# Altium PCB SolderingStation.PcbDoc (part 1 of 2)
Units mm, origin at the board's own origin, x right, y up, seen from the top; angles counter-clockwise.
Board outline 138.15 x 60.81 mm, 2 copper layers (Top Layer, Bottom Layer), stack 1.671 mm thick; 230 components, 136 nets, 690 pads, 476 vias.
Unrouted connection lines stored in the file: 7.
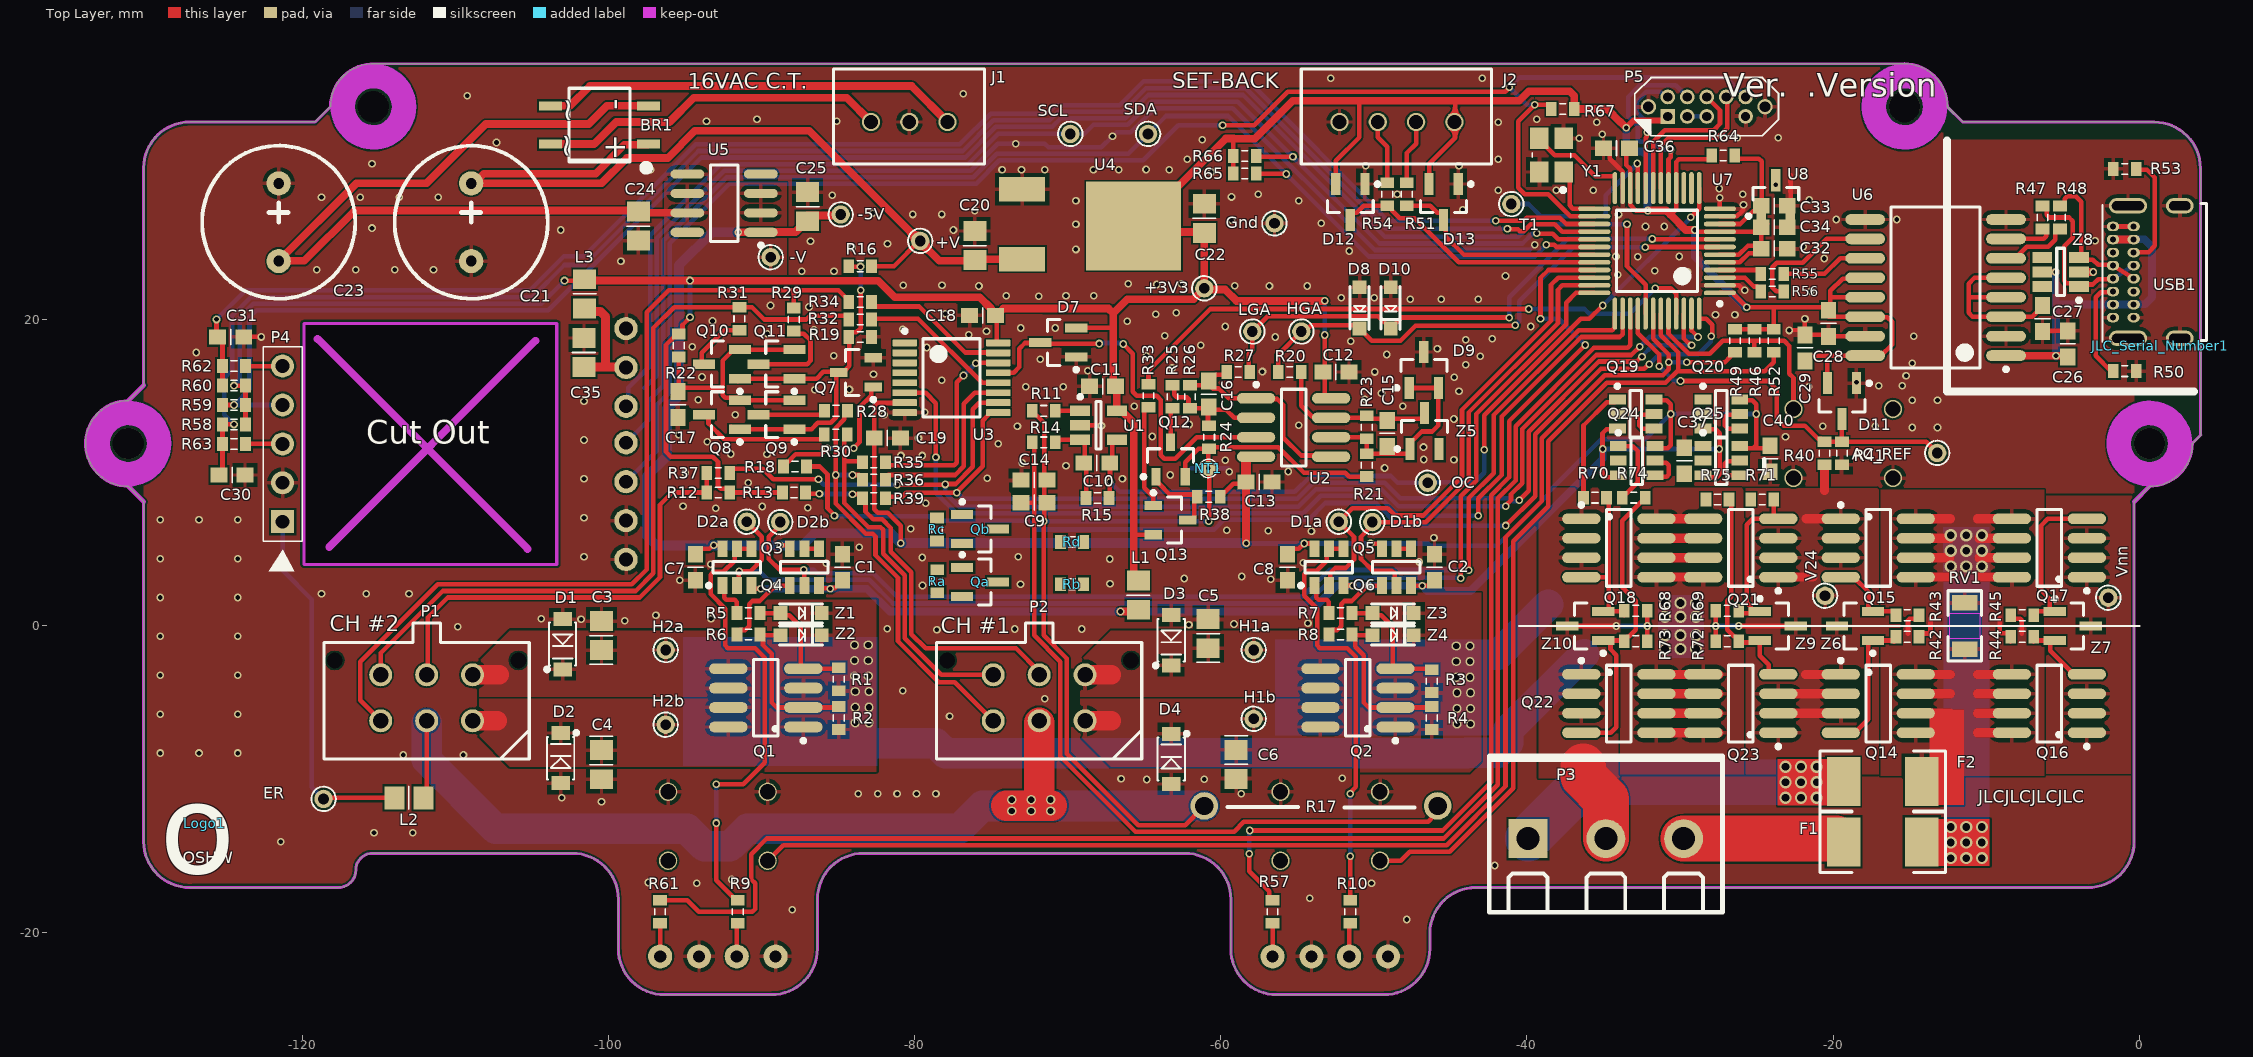
[diagram p0: Top Layer view]
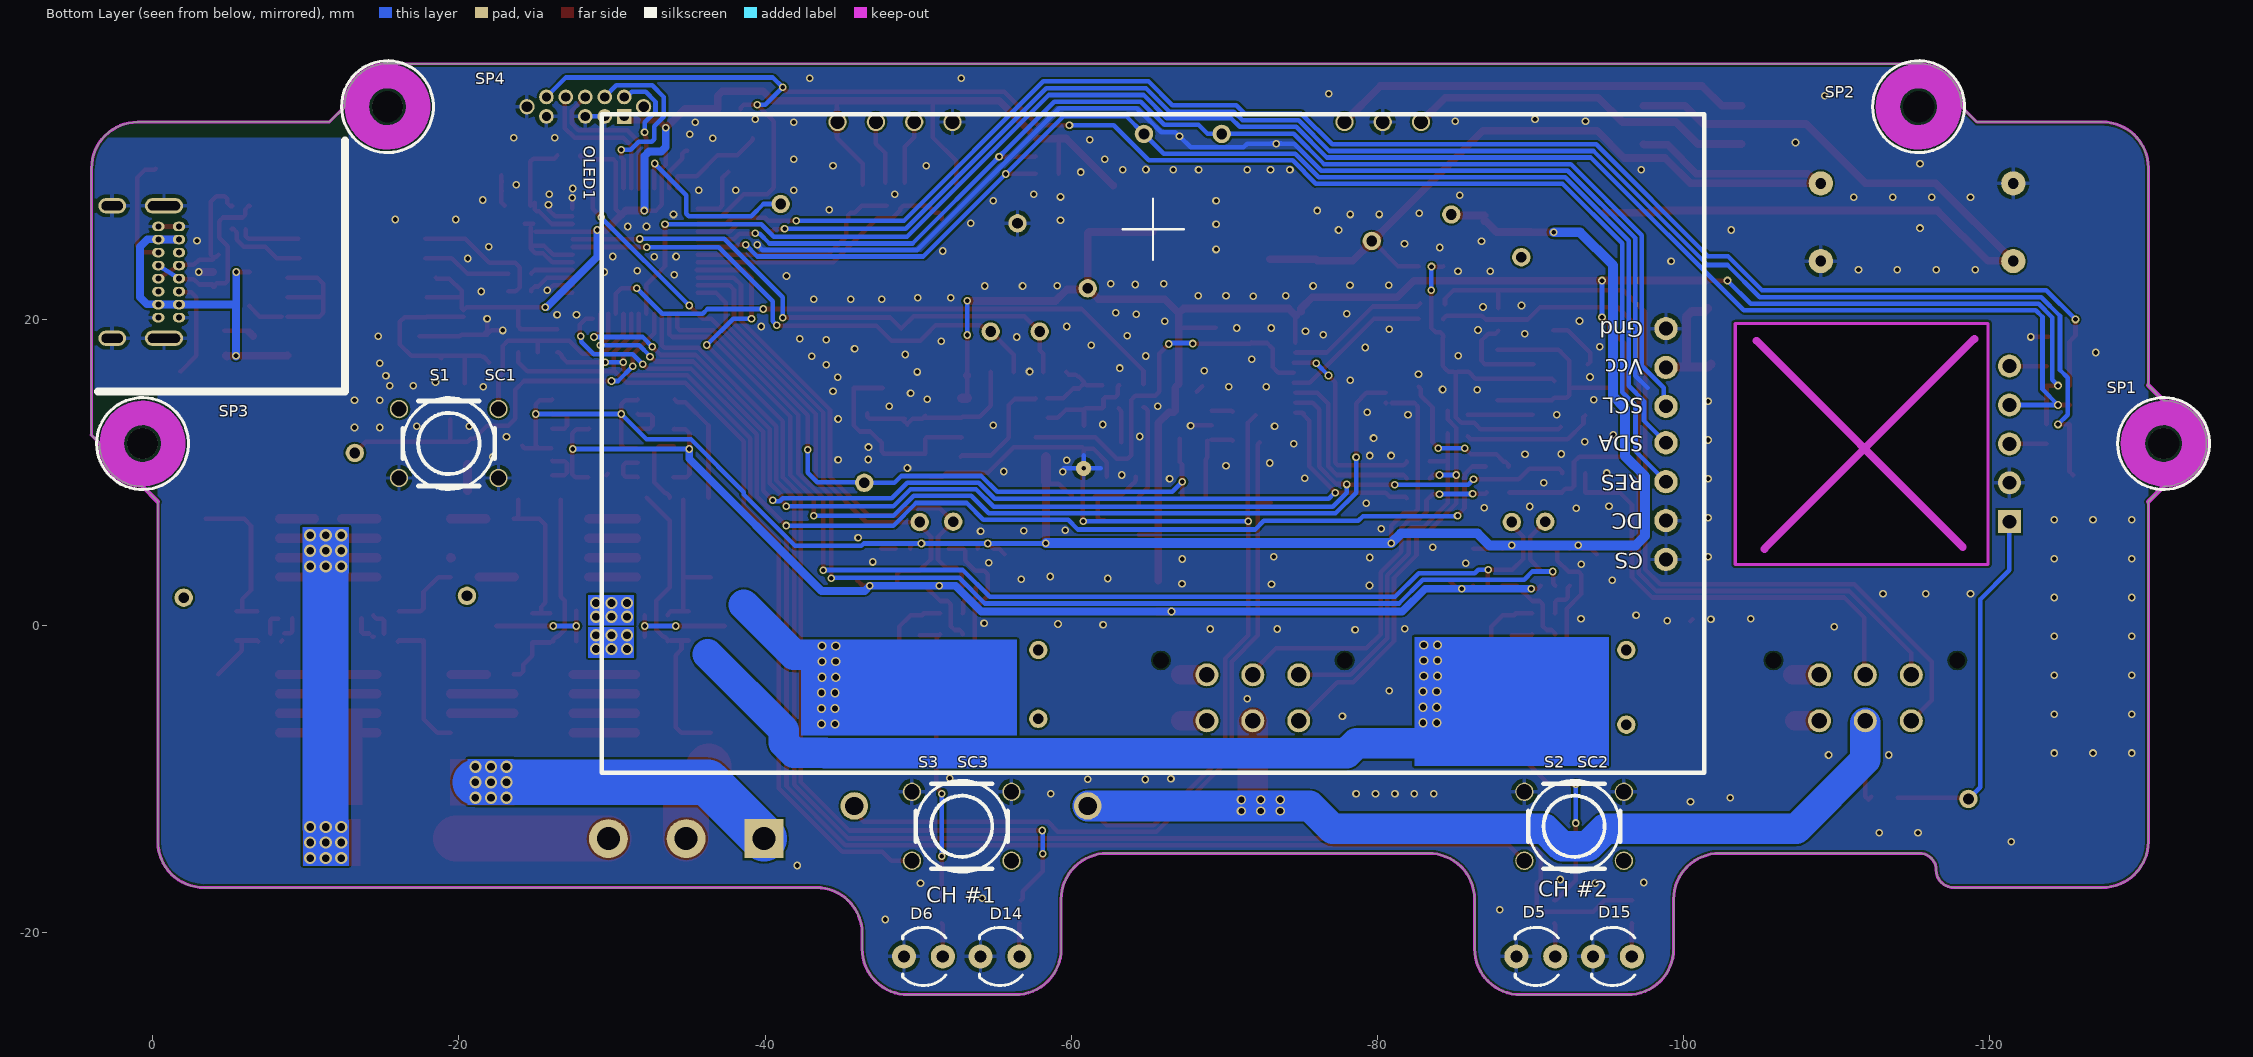
[diagram p1: Bottom Layer view, seen from below]
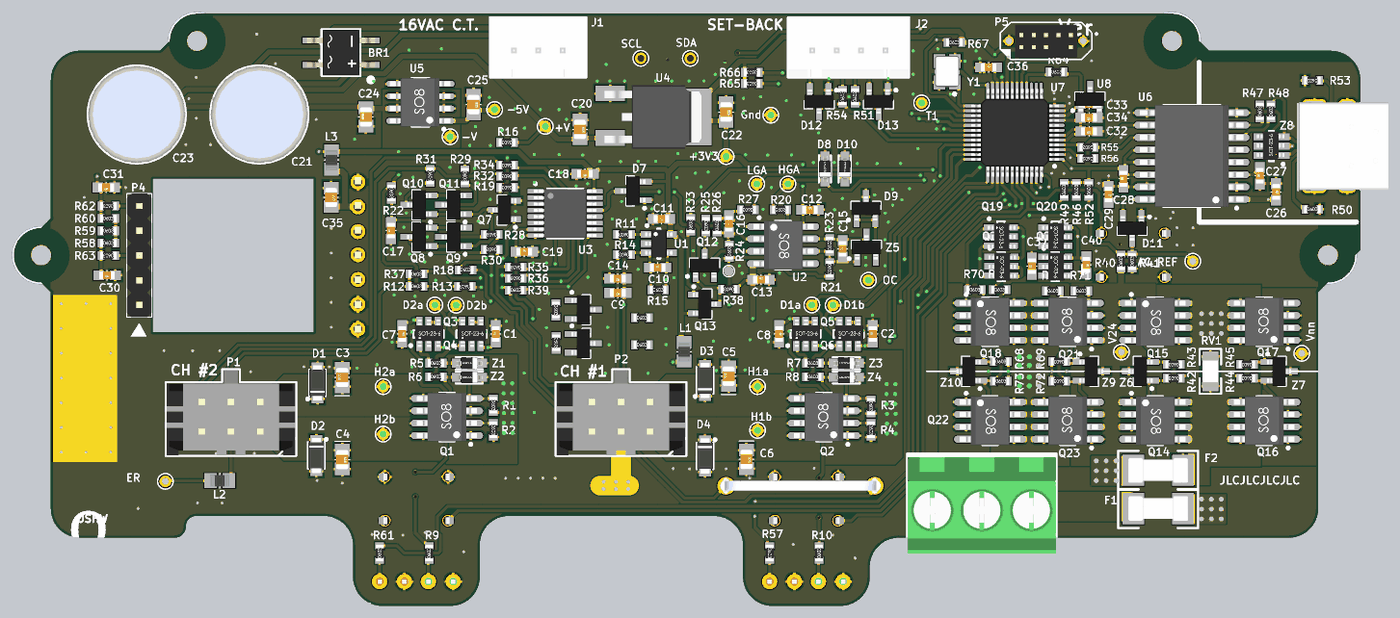
[diagram p3: 3D render of the assembled board from above, using the file's embedded part models]
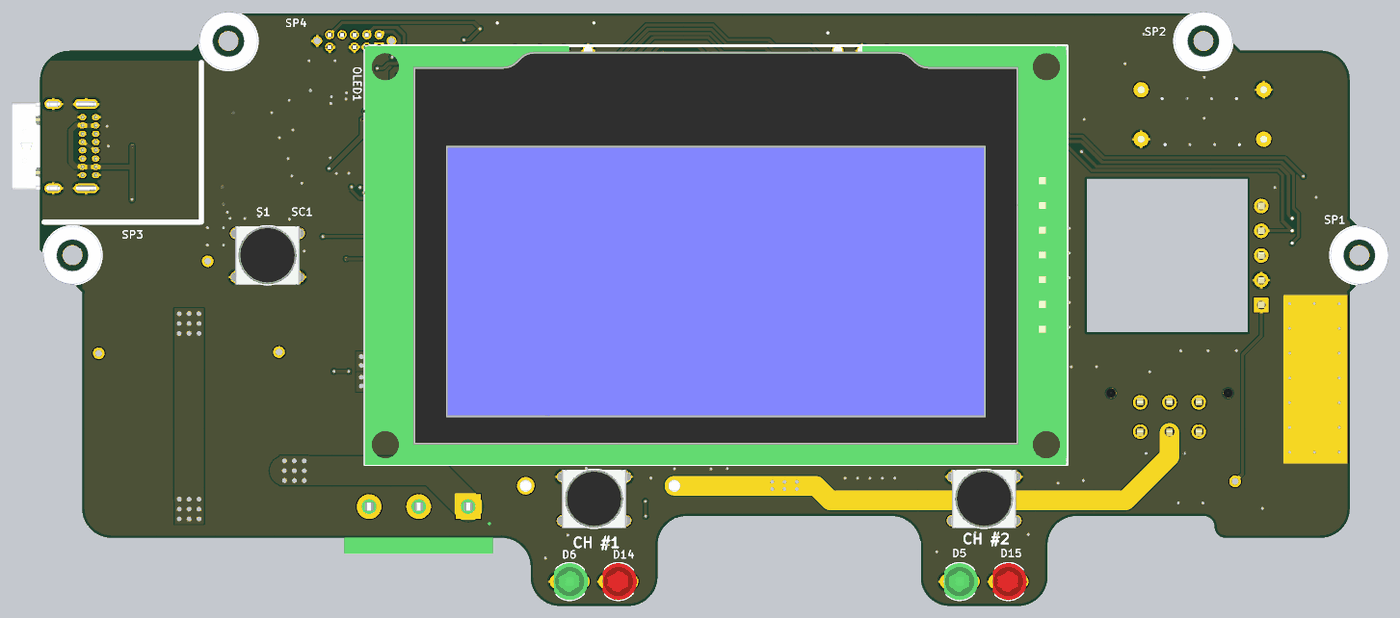
[diagram p4: 3D render of the assembled board from below, using the file's embedded part models]

## Layer stack, top to bottom
Top Solder: solder mask 0.0102, Solder Resist, Dk 3.5
Top Layer: signal copper 0.0356
Dielectric 1: dielectric 1.6, FR-4, Dk 4.8
Bottom Layer: signal copper 0.0356
Bottom Solder: solder mask 0.0102, Solder Resist, Dk 3.5

## Board outline
-127.343,-17.083 -117.629,-17.083 ccw(c-117.629,-15.945) -116.492,-15.945 cw(c-115.392,-15.945) -115.392,-14.845 -115.392,-14.848 -102.343,-14.848 cw(c-102.343,-17.848) -99.343,-17.848 -99.343,-21.083 ccw(c-96.343,-21.083) -96.343,-24.083 -89.343,-24.083 ccw(c-89.343,-21.083) -86.343,-21.083 -86.343,-17.848 cw(c-83.343,-17.848) -83.343,-14.848 -62.343,-14.848 cw(c-62.343,-17.848) -59.343,-17.848 -59.343,-21.083 ccw(c-56.343,-21.083) -56.343,-24.083 -49.343,-24.083 ccw(c-49.343,-21.083) -46.343,-21.083 -46.343,-20.083 cw(c-43.343,-20.083) -43.343,-17.083 -3.343,-17.083 ccw(c-3.343,-14.083) -0.343,-14.083 -0.343,8.117 0.657,9.117 ccw(c0.657,11.917) 3.457,11.917 4.011,12.472 3.996,12.472 3.996,29.904 3.986,29.904 ccw(c0.986,29.904) 0.986,32.904 0.986,32.917 -11.543,32.917 -12.543,33.917 ccw(c-15.343,33.917) -15.343,36.717 -15.343,36.732 -115.27,36.716 ccw(c-115.343,33.917) -118.143,33.917 -119.143,32.917 -127.343,32.917 ccw(c-127.343,29.917) -130.343,29.917 -130.343,15.717 -131.343,14.717 ccw(c-131.343,11.917) -131.343,9.117 -130.343,8.117 -130.343,-14.083 ccw(c-127.343,-14.083)
cut-out: -119.876,4.019 -103.366,4.019 -103.366,19.767 -119.876,19.767

## Design rules (kind name [scope] priority, off if disabled: settings)
Clearance [All] p1: gap=0.127 ignorepadtopadclearanceinfootprint=FALSE
DiffPairsRouting [All] p1: maxlimit=0.254 minlimit=0.254 mostfreqgap=0.254 toplayer_minwidth=0.254 toplayer_maxwidth=0.381 toplayer_prefwidth=0.381 bottomlayer_minwidth=0.254 bottomlayer_maxwidth=0.381 bottomlayer_prefwidth=0.381 maxuncoupledlength=12.7
HoleSize [All] p1: absolutevalues=TRUE maxlimit=3.1 minlimit=0.025 maxpercent=80.000 minpercent=20.000
MinimumSolderMaskSliver [All] p1 off: minsoldermaskwidth=0.254
PolygonConnect PolygonConnect_Via [IsPolygon vs IsVia] p1: connectstyle=Direct reliefconductorwidth=0.254 reliefentries=4 polygonreliefangle="90 Angle" airgapwidth=0.254
PolygonConnect [All] p2: connectstyle=Relief reliefconductorwidth=0.254 reliefentries=4 polygonreliefangle="90 Angle" airgapwidth=0.254
RoomDefinition SolderingStation_Control [InComponentClass('SolderingStation_Control')] p1: confinementstyle=ConfineIn formatcopy=TRUE lockcomponents=FALSE outline -135.585,-25.7 14.884,-25.7 14.884,38.46 -135.585,38.46
RoomDefinition SolderingStation_Power [InComponentClass('SolderingStation_Power')] p2: confinementstyle=ConfineIn formatcopy=TRUE lockcomponents=FALSE outline -135.433,-25.7 14.884,-25.7 14.884,38.003 -135.433,38.003
RoomDefinition SolderingStation_Processor [InComponentClass('SolderingStation_Processor')] p3: confinementstyle=ConfineIn formatcopy=TRUE lockcomponents=FALSE outline -135.433,-25.7 15.037,-25.7 15.037,37.876 -135.433,37.876
RoutingVias [All] p1: holewidth=0.3 width=0.5 viastyle="Through Hole" minholewidth=0 minwidth=0.5 maxholewidth=0.711 maxwidth=1.27
SilkToSilkClearance [All] p1 off: silktosilkclearance=0.254
SilkToSolderMaskClearance [IsPad] p1 off: minsilkscreentomaskgap=0.254 clearancetoexposedcopper=TRUE
SolderMaskExpansion SolderMaskExpansion_Via [IsVia] p1: expansion=0.102 istentingtop=TRUE
SolderMaskExpansion [All] p2: expansion=0.102 istentingtop=FALSE
Width [All] p1: maxlimit=4 minlimit=0.254 preferedwidth=0.254
25 further rules are at their usual default settings.

## Classes and differential pairs
component class SolderingStation_Power: +3V3 +V -5V -V AC_REF BR1 C20 C21 C22 C23 C24 C25 C37 C40 D11 F1 F2 J1 P3 Q14 Q15 Q16 Q17 Q18 Q19 Q20 Q21 Q22 Q23 Q24 Q25 Qa Qb R40 R41 R42 R43 R44 R45 R68 R69 R70 R71 R72 R73 R74 R75 Ra Rb Rc Rd RV1 SP1 SP2 SP3 SP4 U4 U5 V24 Vnn Z6 Z7 Z9 Z10
component class SolderingStation_Processor: C26 C27 C28 C29 C30 C31 C32 C33 C34 C35 C36 D12 D13 D14 D15 Gnd J2 JLC_Serial_Number1 L3 Logo1 OLED1 P4 P5 R46 R47 R48 R49 R50 R51 R52 R53 R54 R55 R56 R57 R58 R59 R60 R61 R62 R63 R64 R65 R66 R67 S1 S2 S3 SC1 SC2 SC3 SCL SDA T1 U6 U7 U8 USB1 Y1 Z8
component class SolderingStation_Control: C1 C2 C3 C4 C5 C6 C7 C8 C9 C10 C11 C12 C13 C14 C15 C16 C17 C18 C19 D1 D1a D1b D2 D2a D2b D3 D4 D5 D6 D7 D8 D9 D10 ER H1a H1b H2a H2b HGA L1 L2 LGA NT1 OC P1 P2 Q1 Q2 Q3 Q4 Q5 Q6 Q7 Q8 Q9 Q10 Q11 Q12 Q13 R1 R2 R3 R4 R5 R6 R7 R8 R9 R10 R11 R12 R13 R14 R15 R16 R17 R18 R19 R20 R21 R22 R23 R24 R25 R26 R27 R28 R29 R30 R31 R32 R33 R34 R35 R36 R37 R38 R39 U1 U2 U3 Z1 Z2 Z3 Z4 Z5

## Components (designator, comment, footprint, x,y, rotation, side; value= is the part's Value field where it differs from the comment)
+3V3 "+3.3 volt" "PCBPIN - 0.7mm" -61.075,22.053 r90 top
+V "9 volt unregulated" "PCBPIN - 0.7mm" -79.629,25.151 r90 top
-5V "-5 volt" "PCBPIN - 0.7mm" -84.824,26.879 r90 top
-V "-9 volt unregulated" "PCBPIN - 0.7mm" -89.396,24.085 r90 top
AC_REF "Vdd" "PCBPIN - 0.7mm" -13.208,11.303 r90 top
BR1 "MB1S" MB1S -100.572,32.721 r180 top
C1 "100nF" CCNP1608-0603 -84.709,3.84 r90 top
C2 "100nF" CCNP1608-0603 -46.039,3.84 r90 top
C3 "DNP" CC2012-0805 -100.445,-0.629 r90 top
C4 "DNP" CC2012-0805 -100.445,-9.062 r270 top
C5 "DNP" CC2012-0805 -60.821,-0.502 r90 top
C6 "DNP" CC2012-0805 -58.993,-9.036 r270 top
C7 "100nF" CCNP1608-0603 -94.31,3.84 r270 top
C8 "100nF" CCNP1608-0603 -55.64,3.84 r270 top
C9 "100nF" CCNP1608-0603 -72.187,8.057 r180 top
C10 "100pF" CCNP1608-0603 -68.097,10.647 r0 top
C11 "100nF" CCNP1608-0603 -67.716,15.651 r180 top
C12 "100nF" CCNP1608-0603 -52.476,16.591 r0 top
C13 "100nF" CCNP1608-0603 -57.5,9.406 r0 top
C14 "100nF" CCNP1608-0603 -72.187,9.53 r180 top
C15 "100pF" CCNP1608-0603 -49.124,12.578 r90 top
C16 "100pF" CCNP1608-0603 -60.782,15.143 r90 top
C17 "100nF" CCNP1608-0603 -95.453,14.457 r90 top
C18 "100nF" CCNP1608-0603 -75.553,20.275 r180 top
C19 "100nF" CCNP1608-0603 -81.776,12.274 r0 top
C20 "100nF" CCNP2012-0805 -76.061,24.847 r270 top
C21 "470uF/25V" RB5/10x13mm -108.954,26.371 r270 top
C22 "10uF" CCNP2012-0805 -61.075,26.625 r270 top
C23 "270uF/25V" RB5/10x13mm -121.527,26.371 r270 top
C24 "2.2uF" CCNP2012-0805 -98.032,26.117 r90 top
C25 "10uF" CCNP2012-0805 -86.983,27.387 r270 top
C26 "100nF" CCNP1608-0603 -4.675,18.423 r270 top
C27 "100nF" CCNP1608-0603 -6.326,20.074 r90 top
C28 "100nF" CCNP1608-0603 -20.308,19.767 r90 top
C29 "100nF" CCNP1608-0603 -21.844,18.161 r270 top
C30 "1nF" CCNP1608-0603 -124.575,9.861 r180 top
C31 "1nF" CCNP1608-0603 -124.663,18.878 r180 top
C32 "2.2uF" CCNP1608-0603 -23.852,24.646 r180 top
C33 "100nF" CCNP1608-0603 -23.852,27.44 r180 top
C34 "100nF" CCNP1608-0603 -23.852,26.043 r180 top
C35 "10uF" CCNP2012-0805 -101.588,17.862 r270 top
C36 "100nF" CCNP1608-0603 -34.151,31.197 r0 top
C37 "100nF" CCNP1608-0603 -29.718,10.795 r90 top
C40 "100nF" CCNP1608-0603 -24.13,10.922 r270 top
D1 "SM4007PL" SOD-123FL -102.985,-1.188 r90 top
D1a "Drive1" "PCBPIN - 0.7mm" -52.287,6.812 r0 top
D1b "Drive2" "PCBPIN - 0.7mm" -50.103,6.787 r0 top
D2 "SM4007PL" SOD-123FL -103.112,-8.63 r270 top
D2a "Drive2" "PCBPIN - 0.7mm" -90.957,6.812 r0 top
D2b "Drive2" "PCBPIN - 0.7mm" -88.773,6.787 r0 top
D3 "SM4007PL" SOD-123FL -63.234,-0.934 r90 top
D4 "SM4007PL" SOD-123FL -63.234,-8.681 r270 top
D5 "LED" "LED3MM-GREEN - 10MM PROUD" -90.343,-21.583 r0 bottom locked
D6 "LED" "LED3MM-GREEN - 10MM PROUD" -50.343,-21.583 r0 bottom locked
D7 "BAV199LT1G" SOT23_M -70.612,18.521 r0 top
D8 "1N4148WS" SOD-323 -50.927,20.782 r90 top
D9 "BAV199LT1G" SOT23_M -46.736,16.718 r270 top
D10 "1N4148WS" SOD-323 -48.895,20.782 r90 top
D11 "BAV199LT1G" SOT23_M -19.431,14.686 r90 top
D12 "BAV199LT1G" SOT23_M -51.538,27.694 r90 top
D13 "BAV199LT1G" SOT23_M -45.442,27.694 r90 top
D14 "LED" "LED3MM-RED - 10MM PROUD" -55.343,-21.583 r0 bottom locked
D15 "LED" "LED3MM-RED - 10MM PROUD" -95.343,-21.583 r0 bottom locked
ER "Gnd" "PCBPIN - 0.7mm" -118.594,-11.295 r0 top
F1 "Fuse-0680L9100-01" CF6125-2410_M -16.764,-14.097 r0 top value="10 A"
F2 "Fuse-0680L9100-01" CF6125-2410_M -16.764,-10.16 r0 top value="10 A"
Gnd "Gnd" "PCBPIN - 0.7mm" -56.491,26.297 r90 top
H1a "Heater1" "PCBPIN - 0.7mm" -57.85,-1.569 r0 top
H1b "Heater2" "PCBPIN - 0.7mm" -57.85,-6.064 r90 top
H2a "Heater2" "PCBPIN - 0.7mm" -96.254,-1.569 r0 top
H2b "Heater2" "PCBPIN - 0.7mm" -96.254,-6.446 r90 top
HGA "TC1" "PCBPIN - 0.7mm" -54.737,19.233 r0 top
J1 "JST XH Connector, 3-Pin" JST-B3B-XH-AX -80.343,32.917 r180 top
J2 "JST XH Connector, 4-Pin" jst-b4b-xh-ax -48.49,32.917 r180 top locked
JLC_Serial_Number1 "JLC_Serial_Number" JLC_Serial_Number 1.368,18.304 r180 top
L1 "Ferrite Bead" FB2012-0805 -65.38,2.011 r270 top
L2 "Ferrite Bead" FB2012-0805 -113.018,-11.221 r0 top
L3 "Ferrite Bead" FB2012-0805 -101.549,21.696 r270 top
LGA "NTC1" "PCBPIN - 0.7mm" -57.937,19.233 r0 top
Logo1 "OSHW Logo" OSHW -126.353,-12.872 r0 top
NT1 "NetTieVia" NETTIEVIA -60.808,10.292 r90 top net-tie
OC "Overcurrent" "PCBPIN - 0.7mm" -46.482,9.352 r0 top
OLED1 "OLED_Display" "OLED_Display_128x64_2.4inch - no mounting holes" -65.343,11.917 r0 bottom locked
P1 "MOLEX-43045-0612" MOLEX-43045-0612 -111.863,-4.691 r0 top locked
P2 "MOLEX-43045-0612" MOLEX-43045-0612 -71.858,-4.691 r0 top locked
P3 "Terminal3" MOLEX-39544-3003 -39.929,-13.889 r270 top
P4 "Header, 5-Pin" HDR1X5S -121.273,6.813 r90 top locked
P5 "SWD Connector 2x5-Pin" SWD-2x5-Jig-Header -30.799,33.282 r0 top
Q1 "DMP4025LSD-13" SO-8_M -89.712,-4.691 r90 top
Q2 "DMP4025LSD-13" SO-8_M -51.042,-4.691 r90 top locked
Q3 "IMD2AT108" SOT457_N -91.606,3.84 r90 top
Q4 "IMD2AT108" SOT457_N -87.198,3.84 r90 top
Q5 "IMD2AT108" SOT457_N -52.936,3.84 r90 top
Q6 "IMD2AT108" SOT457_N -48.528,3.84 r90 top
Q7 "MMBT3904LT1G" SOT23_N -83.82,16.566 r0 top
Q8 "BSS84" SOT23_M -92.571,13.798 r0 top
Q9 "BSS84" SOT23_M -89.015,13.798 r0 top
Q10 "BSS84" SOT23_M -92.571,17.1 r0 top
Q11 "BSS84" SOT23_M -89.015,17.1 r0 top
Q12 "BSH103" SOT23_N -63.271,10.876 r270 top
Q13 "MMBT3906LT1G" SOT23_N -63.271,6.914 r180 top
Q14 "FDS4675" SO-8_M -17.056,-5.064 r270 top
Q15 "FDS4675" SO-8_M -17.056,5.096 r270 top
Q16 "FDS4672A" SO-8_M -5.88,-5.064 r90 top
Q17 "FDS4672A" SO-8_M -5.88,5.096 r90 top
Q18 "FDS4675" SO-8_M -33.999,5.096 r270 top
Q19 "IMD2AT108" SOT457_N -32.893,13.843 r0 top
Q20 "IMD2AT108" SOT457_N -27.305,13.843 r0 top
Q21 "FDS4675" SO-8_M -26.035,5.096 r90 top
Q22 "FDS4675" SO-8_M -33.999,-5.064 r270 top
Q23 "FDS4675" SO-8_M -26.035,-5.064 r90 top
Q24 "IMD2AT108" SOT457_N -32.836,10.795 r0 top
Q25 "IMD2AT108" SOT457_N -27.305,10.795 r0 top
Qa "DNP" SOT23_M -75.718,2.875 r180 top
Qb "DNP" SOT23_M -75.718,6.329 r180 top
R1 "4k7" CR1608-0603_N -84.951,-3.474 r270 top
R2 "4k7" CR1608-0603_N -84.951,-6.014 r270 top
R3 "4k7" CR1608-0603_N -46.216,-3.601 r270 top
R4 "4k7" CR1608-0603_N -46.216,-6.014 r270 top
R5 "4k7" CR1608-0603_N -90.844,0.844 r0 top
R6 "4k7" CR1608-0603_N -90.844,-0.553 r0 top
R7 "4k7" CR1608-0603_N -52.174,0.844 r0 top
R8 "4k7" CR1608-0603_N -52.174,-0.553 r0 top
R9 "470R" CR1608-0603_N -91.543,-18.661 r90 top
R10 "470R" CR1608-0603_N -51.538,-18.661 r90 top
R11 "10K" CR1608-0603_N -71.552,14.051 r180 top value=10k
R12 "10K 1%" CR1608-0603_N -92.825,8.718 r0 top value="10k 1%"
R13 "10K 1%" CR1608-0603_N -87.872,8.718 r180 top value="10k 1%"
R14 "10K 1%" CR1608-0603_N -71.552,11.994 r180 top value="10k 1%"
R15 "51K 1%" CR1608-0603_N -68.047,8.361 r0 top value="51k 1%"
R16 "10K" CR1608-0603_N -83.554,23.5 r180 top value=10k
R17 "OAR3-R050FI" OAR3-R050FI -53.455,-11.754 r180 top
R18 "10K" CR1608-0603_N -87.808,10.419 r0 top value=10k
R19 "22K" CR1608-0603_N -83.554,18.877 r180 top value=22k
R20 "0R" CR1608-0603_N -55.499,16.591 r0 top
R21 "1K 1%" CR1608-0603_N -50.458,10.508 r270 top value="1k 1%"
R22 "100 ohm" CR1608-0603_N -95.402,18.318 r270 top
R23 "56K 1%" CR1608-0603_N -50.458,12.974 r90 top value="56k 1%"
R24 "10K 1%" CR1608-0603_N -60.759,12.327 r90 top value="10k 1%"
R25 "5K1 1%" CR1608-0603_N -63.144,14.965 r270 top value="5k1 1%"
R26 "10K 1%" CR1608-0603_N -62.001,14.965 r90 top value="10k 1%"
R27 "0R" CR1608-0603_N -58.852,16.591 r180 top
R28 "22K 1%" CR1608-0603_N -85.129,14.052 r180 top value="22k 1%"
R29 "22K 1%" CR1608-0603_N -87.884,20.02 r270 top value="22k 1%"
R30 "22K 1%" CR1608-0603_N -85.141,12.502 r180 top value="22k 1%"
R31 "22K 1%" CR1608-0603_N -91.44,20.071 r270 top value="22k 1%"
R32 "10K" CR1608-0603_N -83.554,20.021 r180 top value=10k
R33 "10K" CR1608-0603_N -64.719,15.042 r90 top value=10k
R34 "10K" CR1608-0603_N -83.554,21.164 r180 top value=10k
R35 "10K" CR1608-0603_N -82.652,10.698 r180 top value=10k
R36 "10K" CR1608-0603_N -82.652,9.555 r180 top value=10k
R37 "10K" CR1608-0603_N -92.825,9.988 r0 top value=10k
R38 "22K" CR1608-0603_N -60.782,8.438 r180 top value=22k
R39 "10K" CR1608-0603_N -82.652,8.337 r0 top value=10k
R40 "15K" CR1608-0603_N -20.574,11.276 r90 top
R41 "4K3" CR1608-0603_N -19.431,11.276 r90 top value=4k3
R42 "4K3" CR1608-0603_N -15.151,-0.7 r180 top value=4k3
R43 "4K3" CR1608-0603_N -15.151,0.7 r180 top value=4k3
R44 "4K3" CR1608-0603_N -7.658,-0.7 r180 top value=4k3
R45 "4K3" CR1608-0603_N -7.658,0.7 r180 top value=4k3
R46 "10K" CR1608-0603_N -25.146,18.623 r90 top value=10k
R47 "33R" CR1608-0603_N -6.326,26.678 r90 top
R48 "33R" CR1608-0603_N -5.183,26.678 r90 top
R49 "10K" CR1608-0603_N -26.416,18.623 r90 top value=10k
R50 "5k1" CR1608-0603_N -0.954,16.645 r0 top
R51 "1K" CR1608-0603_N -47.855,28.202 r90 top value=1k
R52 "10K" CR1608-0603_N -23.876,18.623 r90 top value=10k
R53 "5k1" CR1608-0603_N -0.954,29.853 r180 top
R54 "1K" CR1608-0603_N -49.125,28.202 r90 top value=1k
R55 "33R" CR1608-0603_N -23.979,22.995 r180 top
R56 "33R" CR1608-0603_N -23.979,21.852 r180 top
R57 "470R" CR1608-0603_N -56.618,-18.661 r270 top
R58 "10K" CR1608-0603_N -124.448,13.163 r0 top value=10k
R59 "10K" CR1608-0603_N -124.448,14.433 r0 top value=10k
R60 "10K" CR1608-0603_N -124.448,15.703 r0 top value=10k
R61 "470R" CR1608-0603_N -96.623,-18.661 r90 top
R62 "33R" CR1608-0603_N -124.448,16.973 r180 top
R63 "33R" CR1608-0603_N -124.448,11.893 r180 top
R64 "1K" CR1608-0603_N -27.178,30.734 r0 top value=1k
R65 "4k7" CR1608-0603_N -58.434,29.546 r180 top
R66 "4k7" CR1608-0603_N -58.434,30.689 r180 top
R67 "10K" CR1608-0603_N -37.657,33.765 r0 top value=10k
R68 "4k7" CR1608-0603_N -32.893,1 r0 top
R69 "4k7" CR1608-0603_N -26.924,1 r180 top
R70 "4k7" CR1608-0603_N -35.56,8.382 r0 top
R71 "4k7" CR1608-0603_N -24.638,8.255 r0 top
R72 "4k7" CR1608-0603_N -26.924,-1 r180 top
R73 "4k7" CR1608-0603_N -32.893,-1 r0 top
R74 "4k7" CR1608-0603_N -33.02,8.382 r0 top
R75 "4k7" CR1608-0603_N -27.559,8.255 r0 top
Ra "DNP" CR1608-0603_N -78.511,2.926 r270 top
Rb "DNP" CR1608-0603_N -69.719,2.723 r0 top
Rc "DNP" CR1608-0603_N -78.537,6.304 r270 top
Rd "DNP" CR1608-0603_N -69.719,5.491 r0 top
RV1 "V33MLA1206NHAUTO" VR3216-1206 -11.408,0 r270 top
S1 "SW_PB-B3F1052" SW_MIN_PB-B3F1052 -19.343,11.917 r180 bottom locked
S2 "SW_PB-B3F1052" SW_MIN_PB-B3F1052 -92.843,-13.083 r0 bottom locked
S3 "SW_PB-B3F1052" SW_MIN_PB-B3F1052 -52.843,-13.083 r0 bottom locked
SC1 "B32-2010" SW-CAP-B32-2010 -19.343,11.917 r180 bottom locked
SC2 "B32-2010" SW-CAP-B32-2010 -92.843,-13.083 r180 bottom locked
SC3 "B32-2010" SW-CAP-B32-2010 -52.843,-13.083 r180 bottom locked
SCL "SCL" "PCBPIN - 0.7mm" -69.826,32.139 r90 top
SDA "SDA" "PCBPIN - 0.7mm" -64.746,32.139 r90 top
SP1 "6MM Spacer" "SPACER-2MM DIA X 6MM" -131.343,11.917 r180 bottom locked
SP2 "6MM Spacer" "SPACER-2MM DIA X 6MM" -115.343,33.917 r180 bottom locked
SP3 "6MM Spacer" "SPACER-2MM DIA X 6MM" 0.657,11.917 r180 bottom locked
SP4 "6MM Spacer" "SPACER-2MM DIA X 6MM" -15.343,33.917 r180 bottom locked
T1 "PTA4" "PCBPIN - 0.7mm" -41.021,27.559 r0 top
U1 "MCP6001UT-I/OT" SOT23-5_M -67.984,13.113 r180 top
U2 "TLV2186" SOIC127P600-8M -55.239,12.962 r0 top
U3 "74HC4052PW-Q100,11" TSSOP16_M -77.585,16.211 r0 top
U4 "NCP1117DT33T5G" TO-252 -69.33,26.244 r180 top
U5 "MC79L05ACD" SOIC127P600-8N -92.432,27.616 r90 top
U6 "ADuM4160BRIZ" SOIC127P1030-16M -13.311,22.106 r180 top
U7 "MK20DX128VLF5" TSQFP50P900X900-48M -31.503,24.502 r90 top
U8 "LM4040BIM3-3.0/NOPB" SOT23_M -23.749,27.94 r270 top
USB1 "USB4085-GF-A" USB4085-GF-A 0.457,23.117 r180 top locked
V24 "Power +V" "PCBPIN - 0.7mm" -20.53,1.974 r0 top
Vnn "Power Ground" "PCBPIN - 0.7mm" -2.032,1.847 r90 top
Y1 "16 MHz" Crystal_SMD_3.2x2.5 -38.403,30.752 r90 top
Z1 "BZT52C12S-7-F" SOD-323 -87.415,0.844 r180 top
Z2 "BZT52C12S-7-F" SOD-323 -87.415,-0.605 r180 top
Z3 "BZT52C12S-7-F" SOD-323 -48.745,0.844 r180 top
Z4 "BZT52C12S-7-F" SOD-323 -48.745,-0.605 r180 top
Z5 "BZX84A3V9" SOT23_M -46.685,12.73 r270 top
Z6 "DZ23C12" SOT23_M -18.58,0 r0 top
Z7 "AZ23C7V5" SOT23_M -4.356,0 r180 top
Z8 "CM1293A-04SO" "SOT457_M - 180" -5.145,23.122 r0 top
Z9 "DZ23C12" SOT23_M -23.622,0 r180 top
Z10 "DZ23C12" SOT23_M -36.195,0 r0 top
